# EAGLE board Mk4 Final Panel (EAGLE 9.0.1), part 9 of 18
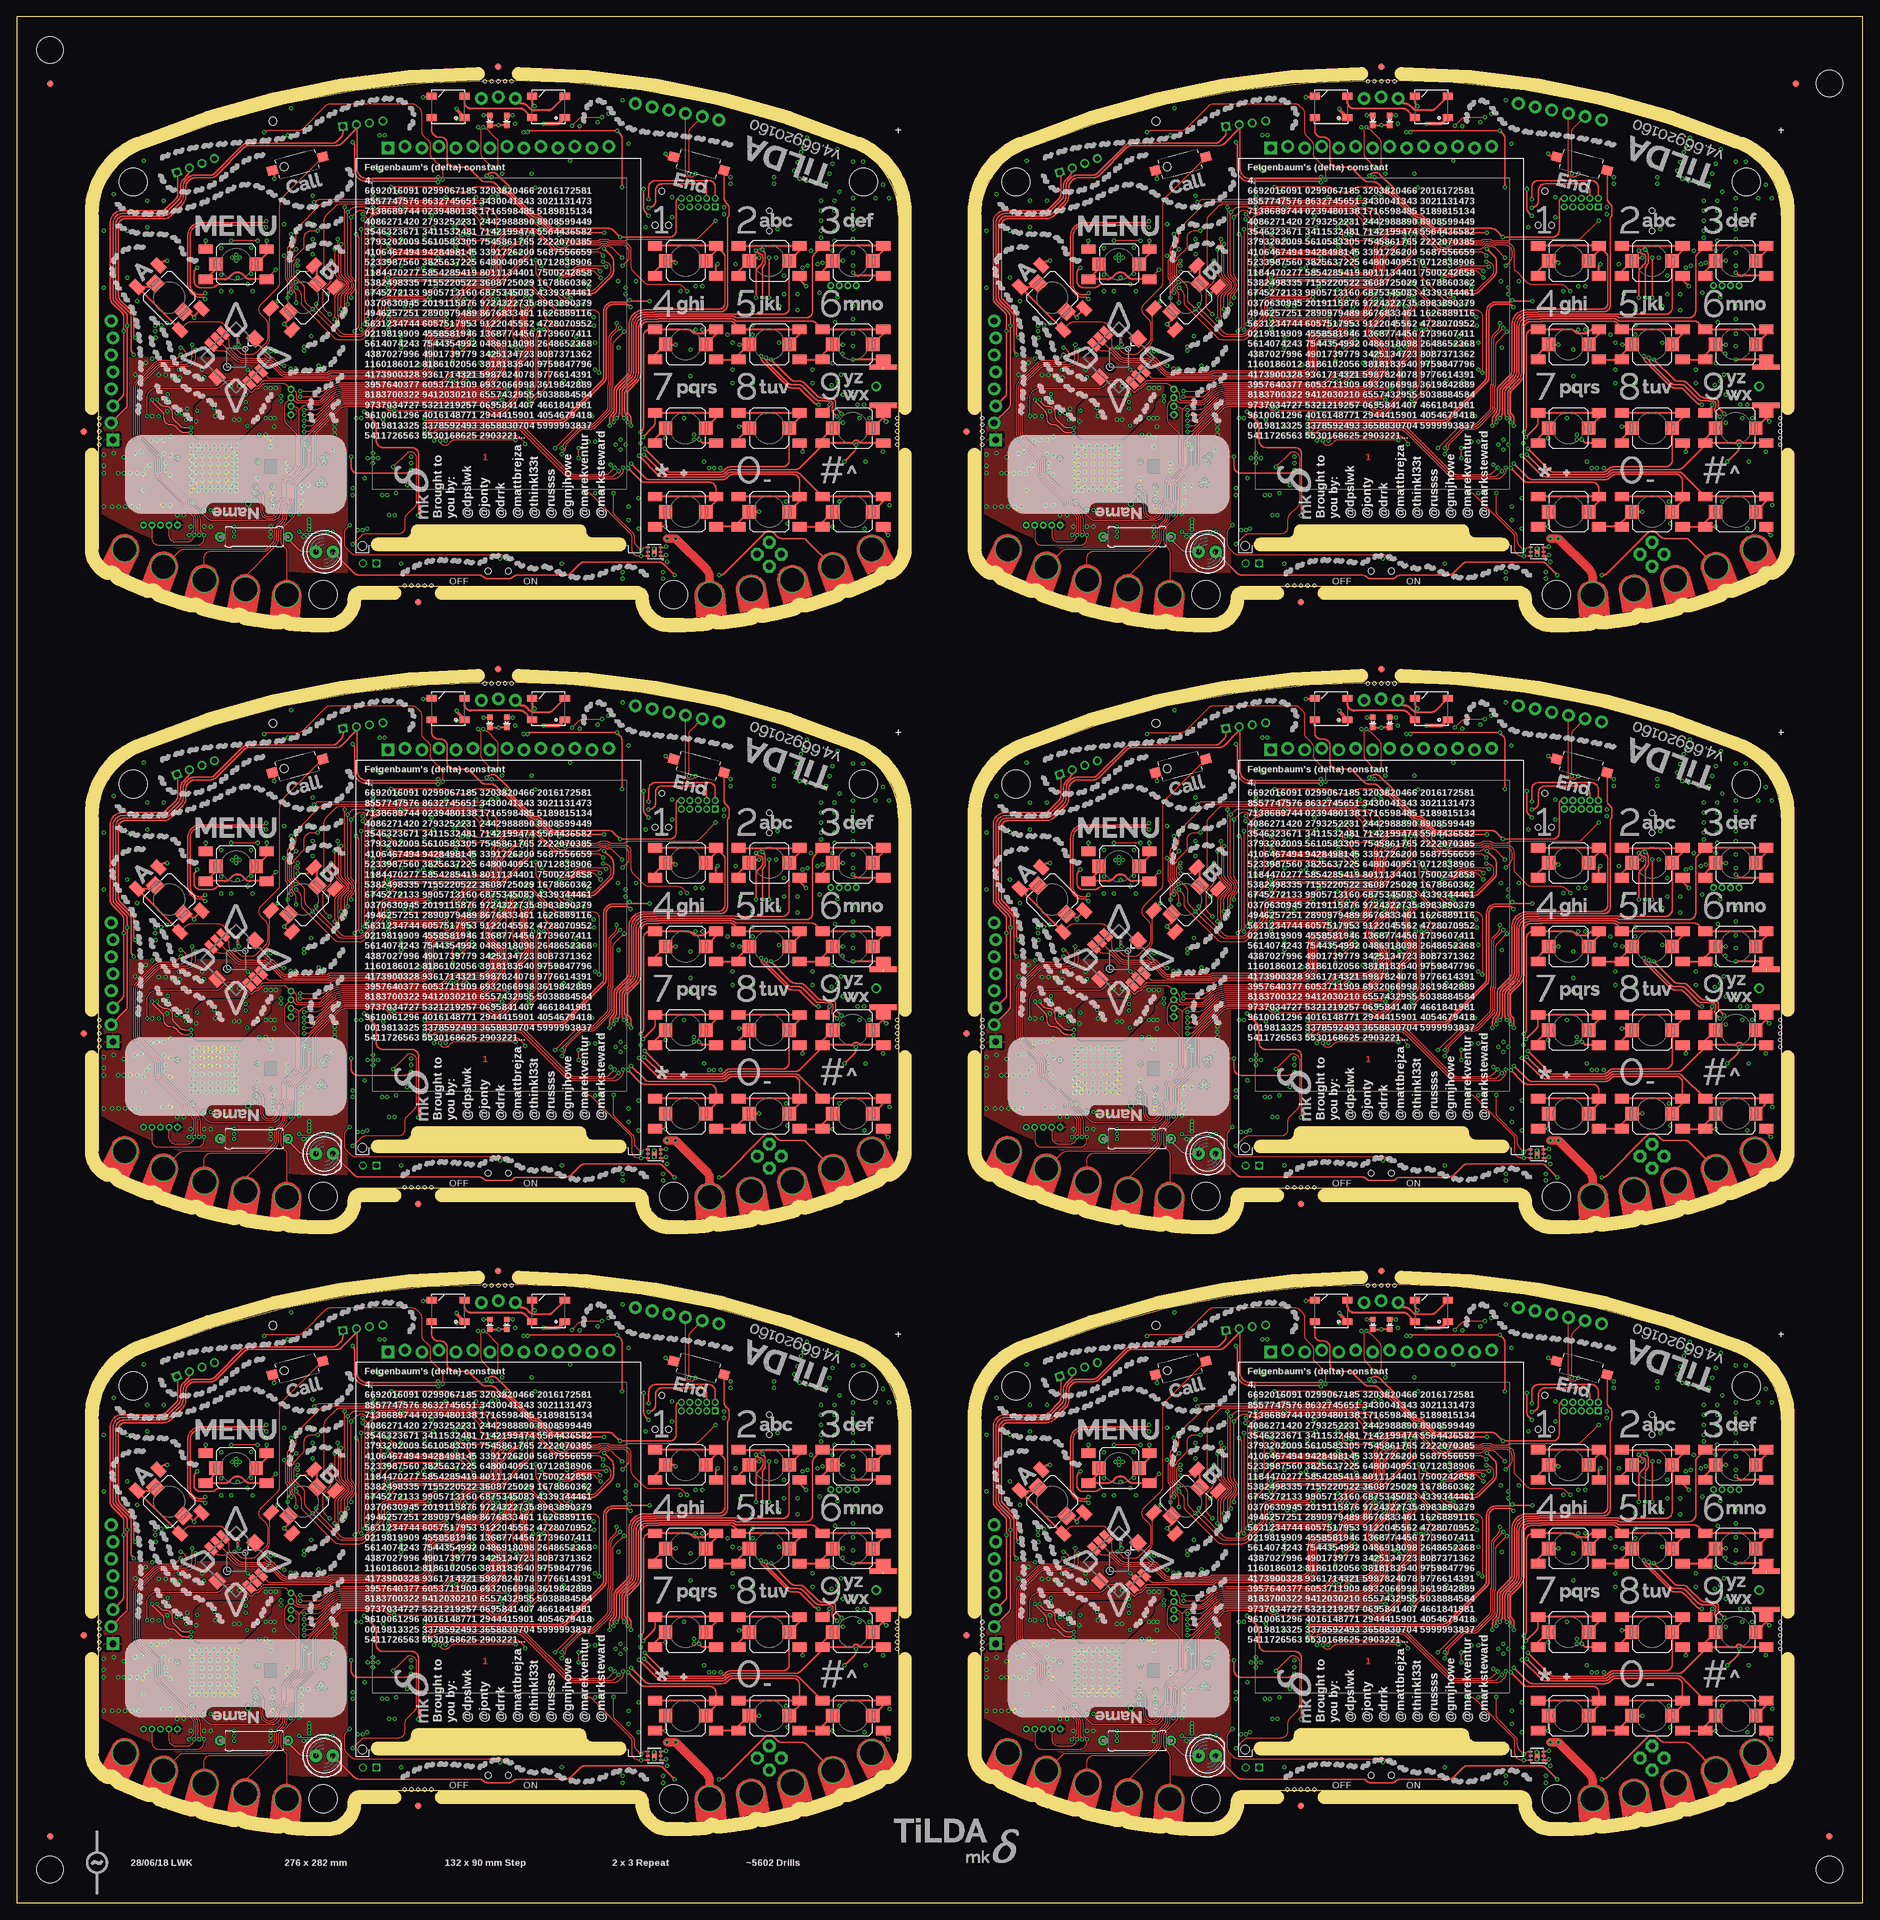
[diagram p0: board, top side]
## Tracks (layer width: path | path; a pad name or v marks a point on that pad's centre or on a via) (continued)
GND1  (via drill 0.3)  (1 unrouted) (continued)
  pour Bottom (rank 2, no thermals): 245.5,45 247,45 247,42.5 246.41,42.5 arc45 245.71,42.21 245.29,41.79 arc45 245,41.09 245,39 arc-90 244,38 233.5,38 arc-90 232.5,39 arc-90 233.5,40 241.75,40 arc90 242.75,41 242.75,41.09 arc-45 243.04,41.79 243.71,42.46 arc-45 244.41,42.75 244.59,42.75 arc45 245.29,43.04 245.5,43.25
  pour Bottom (no thermals): 195.5,51.5 195.5,50.2 195.3,50 195.2,50 195,50.2 195,51.25 194.5,51.75 194.5,53.3 194.7,53.5 195.05,53.5 195.25,53.3 195.25,51.75
  pour Bottom: 167.55,60.95 167.55,66.95 arc90 166.55,67.95 163.05,67.95 arc90 162.05,66.95 162.05,60.95 arc90 163.05,59.95 166.55,59.95 arc90
  pour Bottom (no thermals): 181.4,39 181.4,40.1 181.2,40.3 181.2,41.05 181,41.25 179.75,41.25 179.25,40.75 179.25,39.25 179.5,39
  pour Bottom (no thermals): 175.9,26.8 175.9,24.3 arc-90 175.4,23.8 174.45,23.8 arc-90 173.95,24.3 173.95,31.65 arc-90 174.45,32.15 175.55,32.15 arc-90 176.05,31.65 176.05,28.1 arc90 176.55,27.6 177.8,27.6 177.85,27.55 177.85,26.9 177.75,26.8
  pour Top (rank 6): 144.2,51 144.2,28 arc34 181,19 181.5,19 181.5,51
GND2  (via drill 0.3)  (1 unrouted)
  Top 0.15: IC52.3 96.3,112.65 96.25,112.6 IC52.2 | v95.3,111.5 IC52.PAD v95.3,112.5
  Top 0.2: 96.3,112.65 96.95,112.65 v97.05,112.75
  Top 0.3: S49.1 107.95,128.95 S49.A1 | S45.A1 95.45,128.95 S45.1 v97,129 | S46.A1 95.45,116 95.7,115.75 v97,115.75 S46.1 | S54.1 120.45,116.45 S54.A1 | S53.1 129.55,132.05 S53.A1 | 120.45,153.5 120.45,153.95 S51.1 v123.5,155.5 | 120.45,153.5 S51.A1 | S47.A1 107.95,153.95 S47.1 110,156 v111,156 | S43.A1 95.45,153.95 S43.1 98.25,155.5 v98.5,155.25 | S44.A1 95.45,141.45 S44.1 v98.5,143 | 107.95,141 107.95,141.45 S48.1 v108.05,143 | 107.95,141 S48.A1 | S43.A2 104.55,154.8 v104.75,155 | 120.2,153.25 120.45,153.5 | S52.A2 v125,140.75 | v123.5,143 S52.1 120.45,141.45 S52.A1 S48.A2 | 104.5,128.3 S45.A2 102.5,128.25 v102,128.75 | S49.1 109,131 | S54.A2 129.5,115.75 129.5,115.25 v130.25,114.5 | S50.A2 S54.A1 | v111,118 S50.1 107.95,116.45 S50.A1 S46.A2 | S44.A2 107.7,140.75 107.95,141 | S59.1 97.49,171.01 v97,171.5 | LED15.C v72.03,175.75 LED16.C | LED13.3 61.95,180 v60.75,180 | S51.A2 125.91,153.25 arc-45 125.21,153.54 v125,153.75 | 27.61,148.39 S56.A1 26.5,147.26 v26.5,147 25.62,147.88 S56.1 | S56.A2 21.57,155.21 arc-45 22.28,155.5 v22.5,155.5 | S54.A1 v122,115.75 | S47.A2 117.05,152.7 v118,151.75 | S49.1 109.25,130.75 v108,130.75 | S49.A2 117.5,127.8 v117.5,127 | S57.A2 v28.25,158.5 | S57.1 37.35,156.55 S57.A1 v37.35,158.5 | S58.1 38.5,168.72 v38.5,167.75 | S55.A1 40.81,145.19 v40,146 40.68,146.68 S55.1 | v46.5,150.5 47.61,151.61 S55.A2 | LED14.3 77.05,179.36 arc45 77.34,178.66 v77.4,178.6 | S53.A2 121.5,133.8 v121.5,134 | S53.A1 129.55,131.95 v130,131.5 | S53.A1 129.53,132.76 J29.G@4
  Top 0.4: S52.A2 129.53,140.74 J29.G@3
  GND@3 0.4: v34.45,130.85 31.8,128.2 v31.8,127.85 | v29.5,133.5 28.75,132.75 28.75,128.6 v29.5,127.85 | v27,133.1 27.75,132.35 27.75,128.4 v28.3,127.85
  Bottom 0.15: J21.32 68.75,140.25 | J21.31 69.25,140 | J21.30 69.75,140 | J21.29 70.25,140 | J21.28 70.75,140 | J21.27 71.25,140 | J21.26 71.75,140 | J21.25 72.25,140 | J21.24 72.75,140 | J21.23 73.25,140 | J21.22 73.75,140 | J21.21 74.25,140 | J21.20 74.75,140 | J21.19 75.25,140 | J21.18 75.75,140 | J21.17 76.25,140 | J21.16 76.75,140 | J21.15 77.25,140 | J21.14 77.75,140 | J21.13 78.25,140 | J21.12 78.75,140 | J21.11 79.25,140 | IC38.58 v65.6,158.8 | IC38.55 v65.6,157.6 | IC41.3 87.05,176 v86.85,176.2 | ANT6.3 118.79,173.9 v118.15,173.9 | v117.7,172.75 117.8,172.65 117.94,172.65 117.84,172.75 v117.7,172.75 | ANT6.2 118.05,172.4 v117.7,172.75 | ANT6.4 122.28,172.2 v122.75,172.2 | IC47.PAD v30.1,125.1 | IC47.PAD v28.9,125.1 | IC47.PAD v28.9,123.9 | IC47.PAD v30.1,123.9 | v28.9,126.3 29.5,126.9 v29.5,127.85 | v28.3,127.85 28.3,126.9 v27.7,126.3 27.75,126.35 | v31.3,126.3 31.3,127.35 v31.8,127.85 | v87.5,120.75 C318.2 88,121.5 arc90 88.5,122 88.5,122.5 arc90 88,123 IC50.2 87.46,123 arc45 87.1,122.85 86.9,122.65 arc-45 86.54,122.5 IC50.4 | C320.2 96.45,112.5 | v113.25,168 C269.2 | C272.2 v113.25,167 | C270.2 v106.75,168 | C268.2 v106.75,167 | v30.55,157.4 30.25,157.7 R233.2
  Bottom 0.2: C231.1 74.6,145.85 IC38.10 | IC38.17 71.8,146.01 arc-45 71.65,145.65 C230.1 v71.5,144.75 | IC38.48 63.46,154.8 arc-45 C228.1 | IC38.114 80.74,154.4 arc45 81.44,154.69 C227.1 | IC38.80 71.8,164.05 71.97,164.22 | X12.4 19.88,123.42 19.7,123.6 v18.9,123.6 | X12.2 21.73,119.08 v21.8,119 | IC49.23 87.8,128.75 arc-45 87.66,128.81 87.25,129.22 arc-90 87.25,129.25 | 87.25,129.25 v87.25,129.5 | IC49.24 87.25,129.25 | IC49.18 89,125.25 v88.75,125 | IC49.9 v93.25,128.25 | IC42.17 52.5,123.5 v52,123 IC42.18 | J24.GND4 123,118.05 | 96.45,112.5 arc45 v97.05,112.75 | v37.3,159.5 C322.2 | IC44.4 93.97,159.72 C287.1
  Bottom 0.25: J21.50 59.75,139.45 v60.25,139.95 | J21.49 v60.25,139.95 | J21.48 60.75,139.45 v60.25,139.95 | J21.43 63.25,140 | J21.6 v81.75,137.5 | v74,142.75 74,143.62 C232.1 74.25,144.12 C231.1 | v62,155.1 C228.1 | v82.25,154.75 C227.1 | v72,165 C229.1 71.97,164.22 | C226.1 C234.1 v73,166.45 | v61,159.25 R165.2 | C233.1 71.05,166.25 v71.65,165.65 | v81.5,110.25 S61.1 | v57.5,110.25 S62.1 | C237.1 v68.7,165 | C236.1 v64.1,165 | v77.5,166.45 C235.1 | R227.2 v31.25,117.75 | v33.35,155.95 IC46.PAD v32.8,155.5 | C252.2 44.88,117.22 | v91.45,173 C223.1 | v74.5,176 C221.1
  Bottom 0.3: 83.45,176.3 v84.15,175.6 | v38,129 R226.2 | v20.25,132.25 C295.1 | v22.5,133 22.62,132.88 C300.2 | v102.5,145.25 C278.2 | v101.5,145.25 C275.2 | v102.5,151.75 C274.2 | C276.2 v101.5,151.75 | IC39.8 106.1,144.65 v106.25,144.5 | R200.2 v100.75,142.25 | R192.2 v100.75,136.25 | R199.2 v100.75,138.25 | IC39.13 108.1,150.65 v108.25,150.5 | IC39.21 116.9,150.65 v116.75,150.5 | Q11.2 100.65,132.15 R190.2 v99.75,132 | C287.1 v94,160.5 | v98,162 97.91,162.09 JP19.5 | C280.1 v105.75,163.5 | IC45.7 99.19,151.81 R211.1 v99.25,151 | v107.5,155 C265.1 | v111,156 110.5,155.5 C264.1 | C263.1 v113.5,156 | J24.GND3 117.21,128.06 arc-45 117.5,127.36 v117.5,127 | 129.38,130.5 J24.GND2 129.5,130.59 arc-45 129.79,131.29 v130,131.5 | 130.17,128 J24.C4 129.79,127.74 arc45 129.5,127.04 v129.5,127 | v130.5,119 130.38,119 J24.GND1 | v115.25,116.25 R215.2 116.92,116.25 Q10.2 | C266.1 v126.75,115.5 | J24.C5 122.85,119.65 v123,119.5 123,118.05 | v115,119.5 115.23,119.27 116.25,119.27 J24.GND6 | C220.1 v82.25,149 | C225.1 v85,152.25 | C224.1 v85,153.5 | Q9.4 Q9.EP2 | C246.1 v57.5,144.25 | IC37.28 43.07,144.25 v44,144.25 | C242.1 v40,156.25 | IC37.46 44.2,158.7 v44.25,158.75 | C245.1 v40,161 | IC37.54 43.89,165.1 arc45 v44.25,165.25 | IC37.52 v44.25,163.5 | C244.1 v56.75,165.75 | C240.1 v57.5,163.5 | IC37.6 53.4,161.1 v53.25,161.25 | C241.1 v57.5,158.75 | C243.1 v57.5,154.75 | R175.1 v59,125.25 | R177.2 v59,126.25 | R179.2 54.15,131.5 arc45 v54.75,131.75 | v38,142 C261.1 | v38.75,142 38.75,141.5 C261.1 | v37.25,142 37.25,141.5 C261.1 | IC37.12 53.3,156.3 v53.25,156.25 | R219.2 v21.25,138.45 | R220.2 v22.25,138.45 | R207.2 v91,150.5 | v32.05,150.95 C293.2 | v114.75,150.5 114.7,150.55 IC39.19 114.7,153.2 v114.75,153.25
  Bottom 0.3: R217.2 41.95,117.5 v42.2,117.75 | IC49.25 v89.5,128 | v72.6,168.55 72.67,168.55 X10.4 | X10.2 76.83,168.55 v76.95,168.55 | v88.5,177.5 C238.1 | v90.6,179.5 R169.2 | C222.1 v82.75,170.5 | C279.1 v89.9,152.45 | J26.8 J26.4 | J28.8 J28.4 | IC37.41 42.05,154.7 v42,154.75 | J24.GND5 123.11,130.91 v123.5,131.3 122.94,131.3 arc-45 122.23,131.59 IC43.3 | IC39.33 119.3,136.95 v119,137.25 | v123.45,141.6 C281.1 | v122.7,136.5 D6.2 | v122.7,137.5 C282.1 | v17.75,126.75 C285.1 | v14.5,126.75 C286.1 | 38.55,132.8 C303.2 37.95,132.8 | IC53.2 v96.6,109 | C323.2 v90.6,108 | IC53.3 v96.6,108 | v119,139.25 119.1,139.15 IC39.31
  Bottom 0.35: v38.55,132 38.55,132.8 | v37.95,132 37.95,132.8
  Bottom 0.4: C305.2 34.1,130.5 v34.45,130.85 | v37.25,129.5 C299.2 | v38,127.75 C311.2 | C301.2 34.12,135.62 v34.25,135.5 | C301.2 v33.25,136.75 | v32,136.75 C302.2 C301.2 | C306.2 28.9,132.9 v29.5,133.5 29.4,133.4 | C304.2 v27,133.1 | v25.5,133.4 26.1,132.8 C298.2 | v40.5,124.25 C316.1 | v40.5,125.25 C317.1 | v38.25,120.75 C312.2 | C308.2 v36,123 | C294.1 v27.75,139.25 | C314.1 v22.95,123.5 | C310.2 v22.25,124.25 | C296.2 v22.25,125.25 | C315.1 v22.95,119 | R218.2 v24,117.5 | R221.2 v25,117.5 | R228.2 v26,115.75 | C313.2 v29,115.75 | C307.2 v28,115.75 | v38.5,130.75 C309.2 37.4,131.64 arc45 v37.25,132 | IC48.4 21.12,144.16 arc45 v20.75,144 | v38.25,118.75 R185.2 | v85.5,128.5 C239.1 | v50.25,120.5 50.85,120.5 C259.2 50.85,121.5 v50.25,121.5 | S60.2 71.4,111 v72.25,111 | Q9.EP2 86.4,139.35 v86.5,139.25 | v86.5,143.25 IC40.4 | 48.75,130.75 C260.2 48.38,130.25 v47.5,130.25 | 48.62,131 v47.5,131 | C256.2 47.6,129.4 v47.5,129.5 | v47.25,127.25 47.25,126.33 C257.1 | 13,123.6 v13,123.75 ANT5.4 | ANT5.3 v13,118.75 | ANT5.2 14.25,119.7 v14.25,118.75 | C262.1 v38,115 | C262.1 37.5,115.75 v38,115.75 | C262.1 37.5,114.25 v38,114.25 | J27.4 40.94,173.81 v40.5,174.25 | C219.2 65.88,176.62 v65.75,176.75 | IC54.3 99.26,110.15 arc-45 98.56,110.44 C324.2 97.68,110.68 arc-45 v97.25,110.5 | TP55.TP 43.75,122.1 v43.6,121.95
  Bottom 0.5: v24.35,138.05 24.35,137.5 C297.2 23.35,137.5 v23.35,138.05
  Bottom 1: J22.1 93.05,116.8 C254.2 | C254.2 91.6,116.85 v91.5,116.75 | C254.2 v93,115.5 | v58.35,122 C255.2 56.65,120.85 v56.75,120.75
  other vias: 69.25,140.25 78.75,140.25 62.9,143.15 32.8,156.4 32.25,155.95 122.7,150.1 122.35,146.35 122,170 121.5,168.5 121,167 119.5,167 118,167.5 117,167.75 116.25,169 116.75,170.25 117.25,171.75 27.7,125.1 27.7,123.9 27.7,122.7 28.9,122.7 30.1,122.7 31.3,122.7 31.3,123.9 31.3,125.1 30.1,126.3 23,129.25 23,126.35 19,121.2 18.25,118.75 17.25,118.75 16.25,118.75 15.25,118.75 18,123.75 17,123.75 16,123.75 15.2,123.75 91,128 90.25,128.75 90.25,127.25 101.25,129.5 101.25,128.75 126,132 125,142.75 125,144.65 125,146.75 125,148.75 125,154.75 125,156.75 125,158.75 125,163.25 125,164.85 128.4,164.85 130.4,164.85 53.25,126 54,126 53.25,126.75 53.25,125.25 52.5,126 35.3,150.95 30.55,150.95 30.55,153.45 35.05,153.55 35.05,157.45 43.7,116.85 43.7,116.35 43.7,115.35 43.7,115.85 42.9,114.25 43.6,114.25 42.6,121.95 42.5,120.95 42.5,118.75 42.5,119.55 26.75,125.1 26.75,123.9 26.75,122.7 26.75,126.3 32.25,125.1 32.25,123.9 32.25,122.7 32.25,126.3 27.7,121.75 28.9,121.75 30.1,121.75 31.3,121.75 27.7,127.25 28.9,127.25 30.1,127.25 31.3,127.25 32.25,121.75 32.25,127.25 26.75,127.25 26.75,121.75 30.7,127.85 27.2,127.85 26.15,127.85 26.15,126.8 29.5,121.15 30.7,121.15 31.9,121.15 28.3,121.15 27.2,121.15 32.85,124.45 32.85,123.25 32.85,122.05 32.85,125.65 26.15,124.5 26.15,123.3 26.15,122.2 26.15,125.7 32.85,126.75 32.85,127.85 32.85,121.15 26.15,121.15 126.7,134 125.7,134 127.5,132 122,140.2 16.5,160 16.5,153 19.5,160.5 19.5,164.5 22,164.5 19,170.5 14.5,165.5 13,160 13,151.5 18,149.5 19.25,140.25 13,126.5 110,137.25 107,137.25 107,139.25 107,143.25 114,143.25 116.7,148.1 114,148.75 120,150.75 123.5,135.5 123.25,138.5 125,160.25 125,161.75 123,165.85 125,170.35 129.5,166.85 126.5,170.35 121.85,136.95 125,135.5 18.6,126.95 19.35,124.45 19.85,124.95 22,126.7 21,128.7 22,128.7 20.1,128.6 122.25,164.5 120.25,164.5 122.25,163 120.25,163 122.25,161.5 120.25,161.5 122.25,160 120.25,160 122.25,158.5 120.25,159 118.75,157 118.25,154.75 117.5,154.5 119.75,155 120.5,155.25 122,157 17.75,138.5 16,126.15 13,124.85 110,148.25 110,144.5 110,145.9
  pour GND@3 (isolate 0.254, rank 6): 12.2,164.5 12.2,111 arc31 44,102 46.7,102 arc90 49.5,104.8 arc-90 51.5,106.8 92.5,106.8 arc-90 94.5,104.8 arc90 97.3,102 100,102 arc31 131.8,111 131.8,134.5 125.5,134.5 125.5,164.5 131.8,164.5 arc64 125.25,172.25 arc24 72,182.5 arc24 18.75,172.25 arc55
  pour Bottom (rank 6): 79.25,138.9 79.25,140.25 79,140.5 69,140.5 68.75,140.25 68.75,138.9
  pour Bottom (isolate 0.254, rank 6): 12.2,164.5 12.2,118 arc9 23,113 23,125 25,125 25,131 23,131 23,133 arc90 22,134 21,134 arc-90 20,135 20,155.71 arc-90 32.79,168.5 40.5,168.5 44,172 102.5,171.5 arc-90 105,169 105,134.5 116.09,134.5 arc-45 116.79,134.21 119.21,131.79 arc45 119.91,131.5 131.8,131.5 131.8,134.5 125.5,134.5 125.5,164.5 131.8,164.5 arc64 125.25,172.25 arc24 72,182.5 arc24 18.75,172.25 arc55
  pour Bottom (rank 2, no thermals): 113.5,135 115,135 115,132.5 114.41,132.5 arc45 113.71,132.21 113.29,131.79 arc45 113,131.09 113,129 arc-90 112,128 101.5,128 arc-90 100.5,129 arc-90 101.5,130 109.75,130 arc90 110.75,131 110.75,131.09 arc-45 111.04,131.79 111.71,132.46 arc-45 112.41,132.75 112.59,132.75 arc45 113.29,133.04 113.5,133.25
  pour Bottom (no thermals): 63.5,141.5 63.5,140.2 63.3,140 63.2,140 63,140.2 63,141.25 62.5,141.75 62.5,143.3 62.7,143.5 63.05,143.5 63.25,143.3 63.25,141.75
  pour Bottom: 35.55,150.95 35.55,156.95 arc90 34.55,157.95 31.05,157.95 arc90 30.05,156.95 30.05,150.95 arc90 31.05,149.95 34.55,149.95 arc90
  pour Bottom (no thermals): 49.4,129 49.4,130.1 49.2,130.3 49.2,131.05 49,131.25 47.75,131.25 47.25,130.75 47.25,129.25 47.5,129
  pour Bottom (no thermals): 43.9,116.8 43.9,114.3 arc-90 43.4,113.8 42.45,113.8 arc-90 41.95,114.3 41.95,121.65 arc-90 42.45,122.15 43.55,122.15 arc-90 44.05,121.65 44.05,118.1 arc90 44.55,117.6 45.8,117.6 45.85,117.55 45.85,116.9 45.75,116.8
  pour Top (rank 6): 12.2,141 12.2,118 arc34 49,109 49.5,109 49.5,141
GND3  (via drill 0.3)  (1 unrouted)
  Top 0.15: IC70.3 228.3,112.65 228.25,112.6 IC70.2 | v227.3,111.5 IC70.PAD v227.3,112.5
  Top 0.2: 228.3,112.65 228.95,112.65 v229.05,112.75
  Top 0.3: S70.1 239.95,128.95 S70.A1 | S66.A1 227.45,128.95 S66.1 v229,129 | S67.A1 227.45,116 227.7,115.75 v229,115.75 S67.1 | S75.1 252.45,116.45 S75.A1 | S74.1 261.55,132.05 S74.A1 | 252.45,153.5 252.45,153.95 S72.1 v255.5,155.5 | 252.45,153.5 S72.A1 | S68.A1 239.95,153.95 S68.1 242,156 v243,156 | S64.A1 227.45,153.95 S64.1 230.25,155.5 v230.5,155.25 | S65.A1 227.45,141.45 S65.1 v230.5,143 | 239.95,141 239.95,141.45 S69.1 v240.05,143 | 239.95,141 S69.A1 | S64.A2 236.55,154.8 v236.75,155 | 252.2,153.25 252.45,153.5 | S73.A2 v257,140.75 | v255.5,143 S73.1 252.45,141.45 S73.A1 S69.A2 | 236.5,128.3 S66.A2 234.5,128.25 v234,128.75 | S70.1 241,131 | S75.A2 261.5,115.75 261.5,115.25 v262.25,114.5 | S71.A2 S75.A1 | v243,118 S71.1 239.95,116.45 S71.A1 S67.A2 | S65.A2 239.7,140.75 239.95,141 | S80.1 229.49,171.01 v229,171.5 | LED21.C v204.03,175.75 LED22.C | LED19.3 193.95,180 v192.75,180 | S72.A2 257.91,153.25 arc-45 257.21,153.54 v257,153.75 | 159.61,148.39 S77.A1 158.5,147.26 v158.5,147 157.62,147.88 S77.1 | S77.A2 153.57,155.21 arc-45 154.28,155.5 v154.5,155.5 | S75.A1 v254,115.75 | S68.A2 249.05,152.7 v250,151.75 | S70.1 241.25,130.75 v240,130.75 | S70.A2 249.5,127.8 v249.5,127 | S78.A2 v160.25,158.5 | S78.1 169.35,156.55 S78.A1 v169.35,158.5 | S79.1 170.5,168.72 v170.5,167.75 | S76.A1 172.81,145.19 v172,146 172.68,146.68 S76.1 | v178.5,150.5 179.61,151.61 S76.A2 | LED20.3 209.05,179.36 arc45 209.34,178.66 v209.4,178.6 | S74.A2 253.5,133.8 v253.5,134 | S74.A1 261.55,131.95 v262,131.5 | S74.A1 261.53,132.76 J39.G@4
  Top 0.4: S73.A2 261.53,140.74 J39.G@3
  GND@3 0.4: v166.45,130.85 163.8,128.2 v163.8,127.85 | v161.5,133.5 160.75,132.75 160.75,128.6 v161.5,127.85 | v159,133.1 159.75,132.35 159.75,128.4 v160.3,127.85
  Bottom 0.15: J31.32 200.75,140.25 | J31.31 201.25,140 | J31.30 201.75,140 | J31.29 202.25,140 | J31.28 202.75,140 | J31.27 203.25,140 | J31.26 203.75,140 | J31.25 204.25,140 | J31.24 204.75,140 | J31.23 205.25,140 | J31.22 205.75,140 | J31.21 206.25,140 | J31.20 206.75,140 | J31.19 207.25,140 | J31.18 207.75,140 | J31.17 208.25,140 | J31.16 208.75,140 | J31.15 209.25,140 | J31.14 209.75,140 | J31.13 210.25,140 | J31.12 210.75,140 | J31.11 211.25,140 | IC56.58 v197.6,158.8 | IC56.55 v197.6,157.6 | IC59.3 219.05,176 v218.85,176.2 | ANT8.3 250.79,173.9 v250.15,173.9 | v249.7,172.75 249.8,172.65 249.94,172.65 249.84,172.75 v249.7,172.75 | ANT8.2 250.05,172.4 v249.7,172.75 | ANT8.4 254.28,172.2 v254.75,172.2 | IC65.PAD v162.1,125.1 | IC65.PAD v160.9,125.1 | IC65.PAD v160.9,123.9 | IC65.PAD v162.1,123.9 | v160.9,126.3 161.5,126.9 v161.5,127.85 | v160.3,127.85 160.3,126.9 v159.7,126.3 159.75,126.35 | v163.3,126.3 163.3,127.35 v163.8,127.85 | v219.5,120.75 C426.2 220,121.5 arc90 220.5,122 220.5,122.5 arc90 220,123 IC68.2 219.46,123 arc45 219.1,122.85 218.9,122.65 arc-45 218.54,122.5 IC68.4 | C428.2 228.45,112.5 | v245.25,168 C377.2 | C380.2 v245.25,167 | C378.2 v238.75,168 | C376.2 v238.75,167 | v162.55,157.4 162.25,157.7 R311.2
  Bottom 0.2: C339.1 206.6,145.85 IC56.10 | IC56.17 203.8,146.01 arc-45 203.65,145.65 C338.1 v203.5,144.75 | IC56.48 195.46,154.8 arc-45 C336.1 | IC56.114 212.74,154.4 arc45 213.44,154.69 C335.1 | IC56.80 203.8,164.05 203.97,164.22 | X16.4 151.88,123.42 151.7,123.6 v150.9,123.6 | X16.2 153.72,119.08 v153.8,119 | IC67.23 219.8,128.75 arc-45 219.66,128.81 219.25,129.22 arc-90 219.25,129.25 | 219.25,129.25 v219.25,129.5 | IC67.24 219.25,129.25 | IC67.18 221,125.25 v220.75,125 | IC67.9 v225.25,128.25 | IC60.17 184.5,123.5 v184,123 IC60.18 | J34.GND4 255,118.05 | 228.45,112.5 arc45 v229.05,112.75 | v169.3,159.5 C430.2 | IC62.4 225.97,159.72 C395.1
  Bottom 0.25: J31.50 191.75,139.45 v192.25,139.95 | J31.49 v192.25,139.95 | J31.48 192.75,139.45 v192.25,139.95 | J31.43 195.25,140 | J31.6 v213.75,137.5 | v206,142.75 206,143.62 C340.1 206.25,144.12 C339.1 | v194,155.1 C336.1 | v214.25,154.75 C335.1 | v204,165 C337.1 203.97,164.22 | C334.1 C342.1 v205,166.45 | v193,159.25 R243.2 | C341.1 203.05,166.25 v203.65,165.65 | v213.5,110.25 S82.1 | v189.5,110.25 S83.1 | C345.1 v200.7,165 | C344.1 v196.1,165 | v209.5,166.45 C343.1 | R305.2 v163.25,117.75 | v165.35,155.95 IC64.PAD v164.8,155.5 | C360.2 176.88,117.22 | v223.45,173 C331.1 | v206.5,176 C329.1
  Bottom 0.3: 215.45,176.3 v216.15,175.6 | v170,129 R304.2 | v152.25,132.25 C403.1 | v154.5,133 154.62,132.88 C408.2 | v234.5,145.25 C386.2 | v233.5,145.25 C383.2 | v234.5,151.75 C382.2 | C384.2 v233.5,151.75 | IC57.8 238.1,144.65 v238.25,144.5 | R278.2 v232.75,142.25 | R270.2 v232.75,136.25 | R277.2 v232.75,138.25 | IC57.13 240.1,150.65 v240.25,150.5 | IC57.21 248.9,150.65 v248.75,150.5 | Q15.2 232.65,132.15 R268.2 v231.75,132 | C395.1 v226,160.5 | v230,162 229.91,162.09 JP28.5 | C388.1 v237.75,163.5 | IC63.7 231.19,151.81 R289.1 v231.25,151 | v239.5,155 C373.1 | v243,156 242.5,155.5 C372.1 | C371.1 v245.5,156 | J34.GND3 249.21,128.06 arc-45 249.5,127.36 v249.5,127 | 261.38,130.5 J34.GND2 261.5,130.59 arc-45 261.79,131.29 v262,131.5 | 262.17,128 J34.C4 261.79,127.74 arc45 261.5,127.04 v261.5,127 | v262.5,119 262.38,119 J34.GND1 | v247.25,116.25 R293.2 248.93,116.25 Q14.2 | C374.1 v258.75,115.5 | J34.C5 254.85,119.65 v255,119.5 255,118.05 | v247,119.5 247.23,119.27 248.25,119.27 J34.GND6 | C328.1 v214.25,149 | C333.1 v217,152.25 | C332.1 v217,153.5 | Q13.4 Q13.EP2 | C354.1 v189.5,144.25 | IC55.28 175.07,144.25 v176,144.25 | C350.1 v172,156.25 | IC55.46 176.2,158.7 v176.25,158.75 | C353.1 v172,161 | IC55.54 175.89,165.1 arc45 v176.25,165.25 | IC55.52 v176.25,163.5 | C352.1 v188.75,165.75 | C348.1 v189.5,163.5 | IC55.6 185.4,161.1 v185.25,161.25 | C349.1 v189.5,158.75 | C351.1 v189.5,154.75 | R253.1 v191,125.25 | R255.2 v191,126.25 | R257.2 186.15,131.5 arc45 v186.75,131.75 | v170,142 C369.1 | v170.75,142 170.75,141.5 C369.1 | v169.25,142 169.25,141.5 C369.1 | IC55.12 185.3,156.3 v185.25,156.25 | R297.2 v153.25,138.45 | R298.2 v154.25,138.45 | R285.2 v223,150.5
  Bottom 0.3: v164.05,150.95 C401.2 | v246.75,150.5 246.7,150.55 IC57.19 246.7,153.2 v246.75,153.25 | R295.2 173.95,117.5 v174.2,117.75 | IC67.25 v221.5,128 | v204.6,168.55 204.68,168.55 X14.4 | X14.2 208.82,168.55 v208.95,168.55 | v220.5,177.5 C346.1 | v222.6,179.5 R247.2 | C330.1 v214.75,170.5 | C387.1 v221.9,152.45 | J36.8 J36.4 | J38.8 J38.4 | IC55.41 174.05,154.7 v174,154.75 | J34.GND5 255.11,130.91 v255.5,131.3 254.94,131.3 arc-45 254.23,131.59 IC61.3 | IC57.33 251.3,136.95 v251,137.25 | v255.45,141.6 C389.1 | v254.7,136.5 D8.2 | v254.7,137.5 C390.1 | v149.75,126.75 C393.1 | v146.5,126.75 C394.1 | 170.55,132.8 C411.2 169.95,132.8 | IC71.2 v228.6,109 | C431.2 v222.6,108 | IC71.3 v228.6,108 | v251,139.25 251.1,139.15 IC57.31
  Bottom 0.35: v170.55,132 170.55,132.8 | v169.95,132 169.95,132.8
  Bottom 0.4: C413.2 166.1,130.5 v166.45,130.85 | v169.25,129.5 C407.2 | v170,127.75 C419.2 | C409.2 166.12,135.62 v166.25,135.5 | C409.2 v165.25,136.75 | v164,136.75 C410.2 C409.2 | C414.2 160.9,132.9 v161.5,133.5 161.4,133.4 | C412.2 v159,133.1 | v157.5,133.4 158.1,132.8 C406.2 | v172.5,124.25 C424.1 | v172.5,125.25 C425.1 | v170.25,120.75 C420.2 | C416.2 v168,123 | C402.1 v159.75,139.25 | C422.1 v154.95,123.5 | C418.2 v154.25,124.25 | C404.2 v154.25,125.25 | C423.1 v154.95,119 | R296.2 v156,117.5 | R299.2 v157,117.5 | R306.2 v158,115.75 | C421.2 v161,115.75 | C415.2 v160,115.75 | v170.5,130.75 C417.2 169.4,131.64 arc45 v169.25,132 | IC66.4 153.12,144.16 arc45 v152.75,144 | v170.25,118.75 R263.2 | v217.5,128.5 C347.1 | v182.25,120.5 182.85,120.5 C367.2 182.85,121.5 v182.25,121.5 | S81.2 203.4,111 v204.25,111 | Q13.EP2 218.4,139.35 v218.5,139.25 | v218.5,143.25 IC58.4 | 180.75,130.75 C368.2 180.38,130.25 v179.5,130.25 | 180.62,131 v179.5,131 | C364.2 179.6,129.4 v179.5,129.5 | v179.25,127.25 179.25,126.33 C365.1 | 145,123.6 v145,123.75 ANT7.4 | ANT7.3 v145,118.75 | ANT7.2 146.25,119.7 v146.25,118.75 | C370.1 v170,115 | C370.1 169.5,115.75 v170,115.75 | C370.1 169.5,114.25 v170,114.25 | J37.4 172.94,173.81 v172.5,174.25 | C327.2 197.88,176.62 v197.75,176.75 | IC72.3 231.26,110.15 arc-45 230.56,110.44 C432.2 229.68,110.68 arc-45 v229.25,110.5 | TP74.TP 175.75,122.1 v175.6,121.95
  Bottom 0.5: v156.35,138.05 156.35,137.5 C405.2 155.35,137.5 v155.35,138.05
  Bottom 1: J32.1 225.05,116.8 C362.2 | C362.2 223.6,116.85 v223.5,116.75 | C362.2 v225,115.5 | v190.35,122 C363.2 188.65,120.85 v188.75,120.75
  other vias: 201.25,140.25 210.75,140.25 194.9,143.15 164.8,156.4 164.25,155.95 254.7,150.1 254.35,146.35 254,170 253.5,168.5 253,167 251.5,167 250,167.5 249,167.75 248.25,169 248.75,170.25 249.25,171.75 159.7,125.1 159.7,123.9 159.7,122.7 160.9,122.7 162.1,122.7 163.3,122.7 163.3,123.9 163.3,125.1 162.1,126.3 155,129.25 155,126.35 151,121.2 150.25,118.75 149.25,118.75 148.25,118.75 147.25,118.75 150,123.75 149,123.75 148,123.75 147.2,123.75 223,128 222.25,128.75 222.25,127.25 233.25,129.5 233.25,128.75 258,132 257,142.75 257,144.65 257,146.75 257,148.75 257,154.75 257,156.75 257,158.75 257,163.25 257,164.85 260.4,164.85 262.4,164.85 185.25,126 186,126 185.25,126.75 185.25,125.25 184.5,126 167.3,150.95 162.55,150.95 162.55,153.45 167.05,153.55 167.05,157.45 175.7,116.85 175.7,116.35 175.7,115.35 175.7,115.85 174.9,114.25 175.6,114.25 174.6,121.95 174.5,120.95 174.5,118.75 174.5,119.55 158.75,125.1 158.75,123.9 158.75,122.7 158.75,126.3 164.25,125.1 164.25,123.9 164.25,122.7 164.25,126.3 159.7,121.75 160.9,121.75 162.1,121.75 163.3,121.75 159.7,127.25 160.9,127.25 162.1,127.25 163.3,127.25 164.25,121.75 164.25,127.25 158.75,127.25 158.75,121.75 162.7,127.85 159.2,127.85 158.15,127.85 158.15,126.8 161.5,121.15 162.7,121.15 163.9,121.15 160.3,121.15 159.2,121.15 164.85,124.45 164.85,123.25 164.85,122.05 164.85,125.65 158.15,124.5 158.15,123.3 158.15,122.2 158.15,125.7 164.85,126.75 164.85,127.85 164.85,121.15 158.15,121.15 258.7,134 257.7,134 259.5,132 254,140.2 148.5,160 148.5,153 151.5,160.5 151.5,164.5 154,164.5 151,170.5 146.5,165.5 145,160 145,151.5 150,149.5 151.25,140.25 145,126.5 242,137.25 239,137.25 239,139.25 239,143.25 246,143.25 248.7,148.1 246,148.75 252,150.75 255.5,135.5 255.25,138.5 257,160.25 257,161.75 255,165.85 257,170.35 261.5,166.85 258.5,170.35 253.85,136.95 257,135.5 150.6,126.95 151.35,124.45 151.85,124.95 154,126.7 153,128.7 154,128.7 152.1,128.6 254.25,164.5 252.25,164.5 254.25,163 252.25,163 254.25,161.5 252.25,161.5 254.25,160 252.25,160 254.25,158.5 252.25,159 250.75,157 250.25,154.75 249.5,154.5 251.75,155 252.5,155.25 254,157 149.75,138.5 148,126.15 145,124.85 242,148.25 242,144.5 242,145.9
  pour GND@3 (isolate 0.254, rank 6): 144.2,164.5 144.2,111 arc31 176,102 178.7,102 arc90 181.5,104.8 arc-90 183.5,106.8 224.5,106.8 arc-90 226.5,104.8 arc90 229.3,102 232,102 arc31 263.8,111 263.8,134.5 257.5,134.5 257.5,164.5 263.8,164.5 arc64 257.25,172.25 arc24 204,182.5 arc24 150.75,172.25 arc55
  pour Bottom (rank 6): 211.25,138.9 211.25,140.25 211,140.5 201,140.5 200.75,140.25 200.75,138.9
  pour Bottom (isolate 0.254, rank 6): 144.2,164.5 144.2,118 arc9 155,113 155,125 157,125 157,131 155,131 155,133 arc90 154,134 153,134 arc-90 152,135 152,155.71 arc-90 164.79,168.5 172.5,168.5 176,172 234.5,171.5 arc-90 237,169 237,134.5 248.09,134.5 arc-45 248.79,134.21 251.21,131.79 arc45 251.91,131.5 263.8,131.5 263.8,134.5 257.5,134.5 257.5,164.5 263.8,164.5 arc64 257.25,172.25 arc24 204,182.5 arc24 150.75,172.25 arc55